# Altium PCB _tracker.PcbDoc (part 1 of 2) (continued)
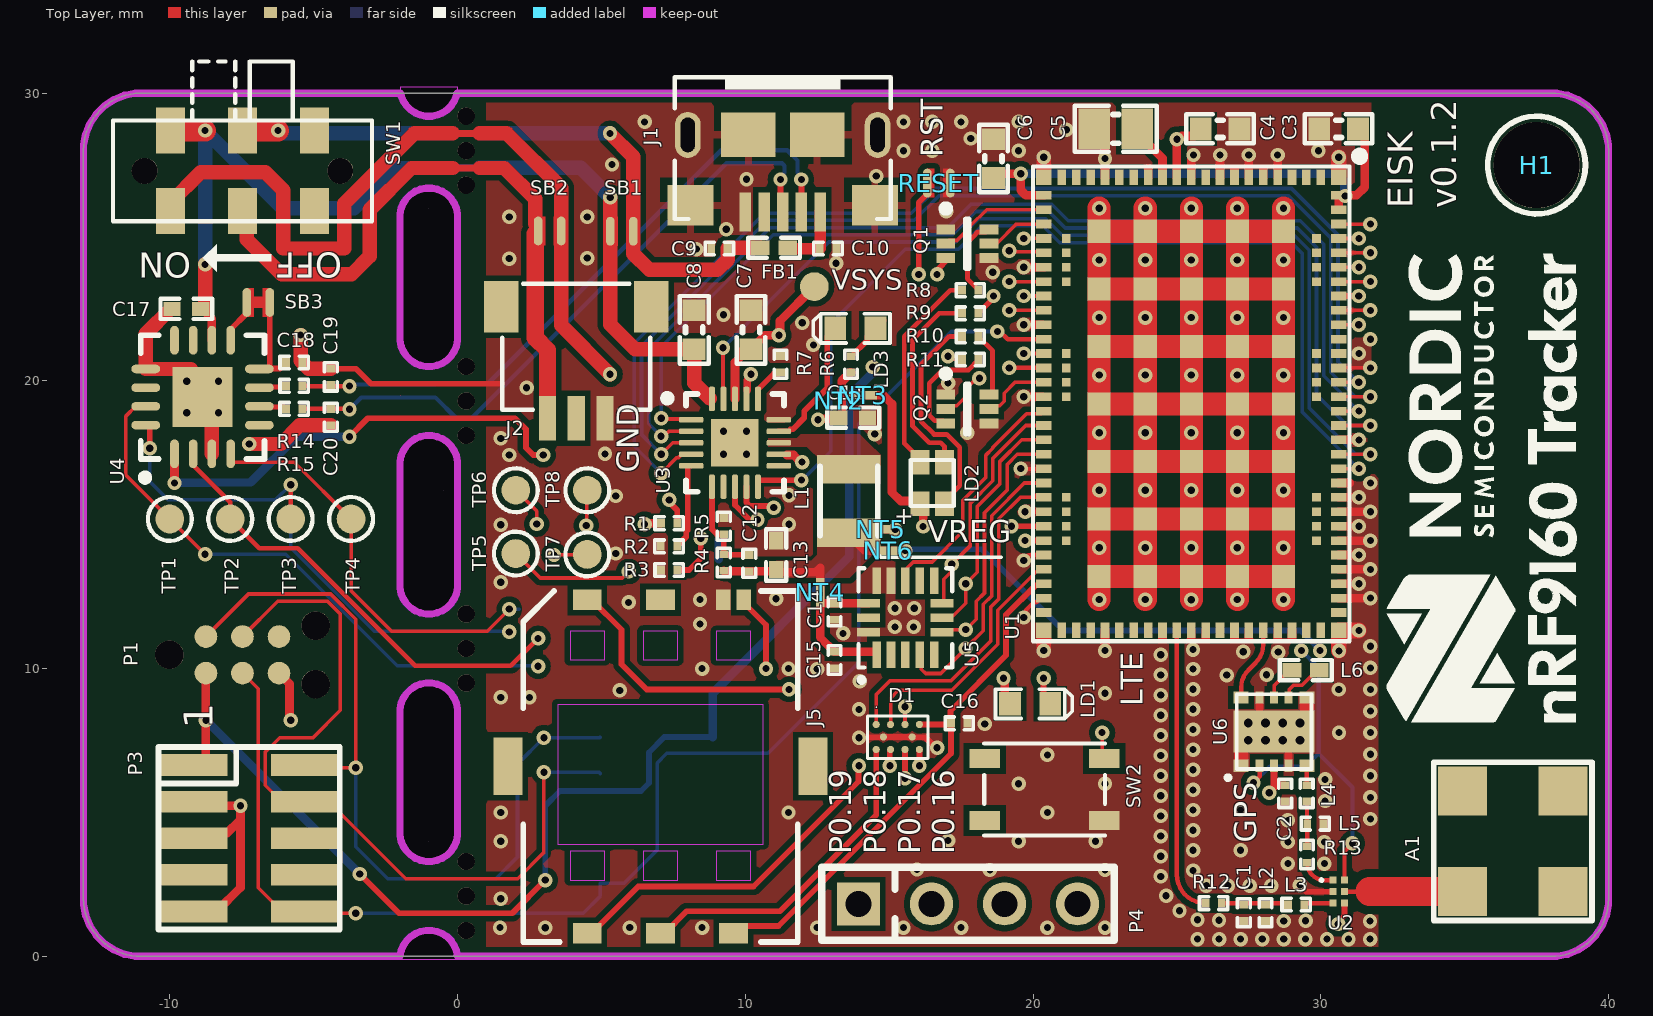
[diagram p0: Top Layer view]
## Footprints (in the part's own frame and the unit in brackets; to place one, negate y for a bottom-side part, rotate by r counter-clockwise, add the part's x,y. Pads: shape width x height; smd on the part's side, far side on the other; paste and mask are expansions set on the pad)
BTN_PTS810 [mm]
  rect 1.05x0.65 smd: 0(2.075,-1.075) 0(2.075,1.075) 1(-2.075,1.075) 2(-2.075,-1.075)
  silkscreen extent -2.1,-1.6 2.1,1.6, body extent -2.29,-1.6 2.29,1.6, height 2.5
CAPC0603X03L_C [mm]
  rect 0.27x0.3 smd: 1(-0.285,0) 2(0.285,0)
  silkscreen extent -0.49,-0.22 0.49,0.22, body extent -0.3,-0.15 0.31,0.15, height 0.3
CAPC1005X04L [mm]
  rect 0.6x0.5 smd: 1(-0.5,0) 2(0.5,0)
  silkscreen extent -0.9,-0.35 0.9,0.35, body extent -0.51,-0.25 0.51,0.25, height 0.5
CAPC1608X06L [mm]
  rect 0.75x0.8 smd: 1(-0.675,0) 2(0.675,0)
  silkscreen extent -1.17,-0.5 1.17,0.5, body extent -0.8,-0.43 0.8,0.43, height 0.8
CAPC2012X11L [mm] "Chip Capacitor, 2-Leads, Body 2.0x1.3mm, IPC High Density"
  rect 1.1x1.4 smd: 1(-0.75,0) 2(0.75,0)
  silkscreen extent -1.43,-0.8 1.42,0.8, body extent -1,-0.62 1,0.63, height 0.77
CM1402 [mm]
  round 0.25 smd mask+0.05: A1(-0.75,0.435) A2(-0.25,0.435) A3(0.25,0.435) A4(0.75,0.435) B1(-0.5,0) B2(0.5,0) C1(-0.75,-0.435) C2(-0.25,-0.435) C3(0.25,-0.435) C4(0.75,-0.435)
  silkscreen extent -1.05,-0.75 1.05,0.72, body extent -0.98,-0.66 0.98,0.66, height 0.72
FRACTUS_CUBE_MXTEND [mm]
  rect 1.7x1.7 smd: 1(1.75,-1.75) 2(-1.75,-1.75) 3(-1.75,1.75) 4(1.75,1.75)
  silkscreen extent -2.75,-2.75 2.75,2.75, body extent -2.5,-2.5 3.45,2.5, height 5.01
GCT_SIM8055-6-1-14-00-A_REVA1 [mm] "Nano SIM Card Connector, Push-Pull Type, 6 Pin, SMT, Profile 1.35mm"
  rect 1x0.7 smd: C1(2.54,-5.795) C2(0,-5.795) C3(-2.54,-5.795) C6(0,5.795) C7(-2.54,5.795)
  rect 1x2 smd: C4(5.3,0) C8(-5.3,0)
  rect 0.5x0.7 smd: C5(2.19,5.795) CD(2.89,5.795)
  Top Layer keep-out region: -3.575,-2.7 3.575,-2.7 3.575,2.15 -3.575,2.15
  Top Layer keep-out region: 1.94,3.7 3.14,3.7 3.14,4.7 1.94,4.7
  Top Layer keep-out region: -0.6,3.7 0.6,3.7 0.6,4.7 -0.6,4.7
  Top Layer keep-out region: -3.14,3.7 -1.94,3.7 -1.94,4.7 -3.14,4.7
  Top Layer keep-out region: -3.14,-3.95 -1.94,-3.95 -1.94,-2.95 -3.14,-2.95
  Top Layer keep-out region: -0.6,-3.95 0.6,-3.95 0.6,-2.95 -0.6,-2.95
  Top Layer keep-out region: 1.94,-3.95 3.14,-3.95 3.14,-2.95 1.94,-2.95
  silkscreen extent -4.77,-6.1 4.77,6.1, body extent -5.47,-6.1 5.33,6.1, height 1.35
HDR_2x5-SMD-1.27mm [mm]
  rect 0.76x2.4 smd: 1(-2.54,-1.95) 2(-2.54,1.95) 3(-1.27,-1.95) 4(-1.27,1.95) 5(0,-1.95) 6(0,1.95) 7(1.27,-1.95) 8(1.27,1.95) 9(2.54,-1.95) 10(2.54,1.95)
  silkscreen extent -3.18,-3.15 3.18,3.15
HDR_2x5-SMD-1.27mm-K [mm]
  rect 0.76x2.4 smd: 1(-2.54,-1.95) 2(-2.54,1.95) 3(-1.27,-1.95) 4(-1.27,1.95) 5(0,-1.95) 6(0,1.95) 7(1.27,-1.95) 8(1.27,1.95) 9(2.54,-1.95) 10(2.54,1.95)
  silkscreen extent -3.18,-3.15 3.18,3.15, body extent -3.14,-2.92 3.14,2.92, height 6.11
HOLE_NP_3MM [mm] "Regular 3mm non-plated hole"
  round 3 hole 3 unplated paste+0 mask+0: ""(0,0)
  silkscreen extent -1.7,-1.7 1.7,1.7
IND1008 [mm] "Chip Inductor, 2-Leads, Body 2.5x2.0x1.1 mm"
  rect 1x2.2 smd: 1(-1.1,0) 2(1.1,0)
  silkscreen extent -1.2,-1 1.2,1, body extent -1.25,-1 1.25,1, height 0.89
INDC0603X03L_C [mm]
  rect 0.27x0.3 smd: 1(-0.285,0) 2(0.285,0)
  silkscreen extent -0.49,-0.22 0.49,0.22, body extent -0.31,-0.16 0.31,0.16, height 0.26
INDC1005X04L [mm] "0402 (imperial)"
  rect 0.65x0.5 smd: 1(-0.475,0) 2(0.475,0)
  silkscreen extent -0.9,-0.35 0.9,0.35, body extent -0.5,-0.3 0.5,0.3, height 0.5
INDC1005X04L_WW [mm]
  rect 0.65x0.5 smd: 1(-0.475,0) 2(0.475,0)
  silkscreen extent -0.9,-0.35 0.9,0.35, body extent -0.5,-0.3 0.5,0.3, height 0.51
LED_0603_G [mil]
  rect 30x32 smd: 1(-27.5,0) 2(27.5,0)
  silkscreen extent -58,-20 48,20, body extent -32,-16 32,16, height 24
LED_RGB_0606 [mm]
  rect 0.65x0.85 smd paste+0: 1(-0.425,0.725) 2(0.425,0.725) 3(0.425,-0.725) 4(-0.425,-0.725)
  silkscreen extent -0.75,-0.8 0.75,0.8, body extent -0.75,-0.8 0.75,0.8, height 0.35
LGA50P322X300X114-16N [mm]
  rect 0.925x0.3 smd mask+0.06: 1(-1.288,1) 2(-1.288,0.5) 3(-1.288,0) 4(-1.288,-0.5) 5(-1.288,-1) 9(1.288,-1) 10(1.288,-0.5) 11(1.288,0) 12(1.288,0.5) 13(1.288,1)
  rect 0.3x0.8 smd mask+0.06: 6(-0.5,-1.275) 7(0,-1.275) 8(0.5,-1.275) 14(0.5,1.275) 15(0,1.275) 16(-0.5,1.275)
  silkscreen extent -2.21,-1.62 1.72,1.62, body extent -1.65,-1.55 1.65,1.55, height 1.14
LGA50P1600X1050X104-161N [mm]
  rect 0.54x0.54 smd mask+0.05: 1(-7.87,5.12) 21(-7.87,-5.12) 52(7.87,-5.12) 72(7.87,5.12)
  rect 0.54x0.3 smd mask+0.05: 2(-7.87,4.5) 3(-7.87,4) 4(-7.87,3.5) 5(-7.87,3) 6(-7.87,2.5) 7(-7.87,2) 8(-7.87,1.5) 9(-7.87,1) 10(-7.87,0.5) 11(-7.87,0) 12(-7.87,-0.5) 13(-7.87,-1) 14(-7.87,-1.5) 15(-7.87,-2) 16(-7.87,-2.5) 17(-7.87,-3) 18(-7.87,-3.5) 19(-7.87,-4) 20(-7.87,-4.5) 53(7.87,-4.5) 54(7.87,-4) 55(7.87,-3.5) 56(7.87,-3) 57(7.87,-2.5) 58(7.87,-2) 59(7.87,-1.5) 60(7.87,-1) 61(7.87,-0.5) 62(7.87,0) 63(7.87,0.5) 64(7.87,1) 65(7.87,1.5) 66(7.87,2) 67(7.87,2.5) 68(7.87,3) 69(7.87,3.5) 70(7.87,4) 71(7.87,4.5)
  rect 0.3x0.54 smd mask+0.05: 22(-7.25,-5.12) 23(-6.75,-5.12) 24(-6.25,-5.12) 25(-5.75,-5.12) 26(-5.25,-5.12) 27(-4.75,-5.12) 28(-4.25,-5.12) 29(-3.75,-5.12) 30(-3.25,-5.12) 31(-2.75,-5.12) 32(-2.25,-5.12) 33(-1.75,-5.12) 34(-1.25,-5.12) 35(-0.75,-5.12) 36(-0.25,-5.12) 37(0.25,-5.12) 38(0.75,-5.12) 39(1.25,-5.12) 40(1.75,-5.12) 41(2.25,-5.12) 42(2.75,-5.12) 43(3.25,-5.12) 44(3.75,-5.12) 45(4.25,-5.12) 46(4.75,-5.12) 47(5.25,-5.12) 48(5.75,-5.12) 49(6.25,-5.12) 50(6.75,-5.12) 51(7.25,-5.12) 73(7.25,5.12) 74(6.75,5.12) 75(6.25,5.12) 76(5.75,5.12) 77(5.25,5.12) 78(4.75,5.12) 79(4.25,5.12) 80(3.75,5.12) 81(3.25,5.12) 82(2.75,5.12) 83(2.25,5.12) 84(1.75,5.12) 85(1.25,5.12) 86(0.75,5.12) 87(0.25,5.12) 88(-0.25,5.12) 89(-0.75,5.12) 90(-1.25,5.12) 91(-1.75,5.12) 92(-2.25,5.12) 93(-2.75,5.12) 94(-3.25,5.12) 95(-3.75,5.12) 96(-4.25,5.12) 97(-4.75,5.12) 98(-5.25,5.12) 99(-5.75,5.12) 100(-6.25,5.12) 101(-6.75,5.12) 102(-7.25,5.12)
  rect 0.8x0.8 smd mask+0.05: 103(-6,3.2) 103(-6,-1.6) 103(-6,0) 103(-6,1.6) 103(-6,-3.2) 103(-4,3.2) 103(-4,-1.6) 103(-4,0) 103(-4,1.6) 103(-4,-3.2) 103(-2,3.2) 103(-2,1.6) 103(-2,0) 103(-2,-1.6) 103(-2,-3.2) 103(0,3.2) 103(0,1.6) 103(0,0) 103(0,-1.6) 103(0,-3.2) 103(2,3.2) 103(2,1.6) 103(2,0) 103(2,-1.6) 103(2,-3.2) 103(4,3.2) 103(4,-1.6) 103(4,0) 103(4,1.6) 103(4,-3.2) 103(6,3.2) 103(6,-1.6) 103(6,0) 103(6,1.6) 103(6,-3.2)
  rect 0.3x0.3 smd mask+0.05: 104(-5.75,-4.35) 105(-5.25,-4.35) 106(-4.75,-4.35) 107(-4.25,-4.35) 108(-1.75,-4.35) 109(-1.25,-4.35) 110(-0.75,-4.35) 111(-0.25,-4.35) 112(3.25,-4.35) 113(3.75,-4.35) 114(4.25,-4.35) 115(4.75,-4.35) 116(4.75,4.35) 117(4.25,4.35) 118(3.75,4.35) 119(3.25,4.35) 120(-0.25,4.35) 121(-0.75,4.35) 122(-1.25,4.35) 123(-1.75,4.35) 124(-4.25,4.35) 125(-4.75,4.35) 126(-5.25,4.35) 127(-5.75,4.35)
  Top Layer pour cut-out: -8.15,5.4 8.15,5.4 8.15,-5.4 -8.15,-5.4
  silkscreen extent -8.75,-5.5 8.25,6, body extent -8.05,-5.3 8.05,5.3, height 1.2
LIST_1x4-NC [mm]
  rect 1.5x1.5 hole 0.9: 1(-1.27,0)
  round 1.5 hole 0.9: 2(1.27,0) 3(3.81,0) 4(6.35,0)
  silkscreen extent -2.54,-1.27 7.62,1.27
NET_TIE_GND [mm]
  rect 0.5x0.3 smd paste+0 mask+0: 1(-0.25,0) 2(0.75,0)
  Top Layer lines w0.3: -0.1,0 0.6,0
Net_tie_trace#1 [mm]
  rect 0.5x0.3 on Mid2 paste+0 mask+0: 1(0,0) 2(0.5,0)
  Mid-Layer 2 lines w0.3: 0,0 0.5,0
Net_tie_trace#2 [mm]
  rect 0.5x0.3 smd paste+0 mask+0: 1(0,0) 2(0.5,0)
  Top Layer lines w0.3: 0,0 0.5,0
NX3020NAKV [mm]
  rect 0.65x0.35 smd: 1(-0.75,0.5) 2(-0.75,0) 3(-0.75,-0.5) 4(0.75,-0.5) 5(0.75,0) 6(0.75,0.5)
  silkscreen extent -0.87,-0.85 0.05,1.35, body extent -0.8,-0.85 0.8,0.85, height 0.6
PG-TSNP-6-2 [mm] "TSNP-6-2 ,0.40mm Pitch, 6 Pin, 0.7mm W X 1.1mm L X 0.4mm H body"
  rect 0.25x0.25 smd: 1(-0.2,0.4) 2(-0.2,0) 3(-0.2,-0.4) 4(0.2,-0.4) 5(0.2,0) 6(0.2,0.4)
  silkscreen extent -0.65,0.35 -0.55,0.45, body extent -0.35,-0.55 0.35,0.55, height 0.4
QFN40P300X300X80_HS-21N [mm] "QFN, 20-Leads, Body 3,00x3,00mm, Pitch 0,40mm, Thermal Pad 1,65x1,65mm, IPC Medium Density"
  rrect50% 0.85x0.2 smd: 1(-1.525,0.8) 2(-1.525,0.4) 3(-1.525,0) 4(-1.525,-0.4) 5(-1.525,-0.8) 11(1.525,-0.8) 12(1.525,-0.4) 13(1.525,0) 14(1.525,0.4) 15(1.525,0.8)
  rrect50% 0.2x0.85 smd: 6(-0.8,-1.525) 7(-0.4,-1.525) 8(0,-1.525) 9(0.4,-1.525) 10(0.8,-1.525) 16(0.8,1.525) 17(0.4,1.525) 18(0,1.525) 19(-0.4,1.525) 20(-0.8,1.525)
  rect 1.65x1.65 smd: 21(0,0)
  silkscreen extent -2.47,-1.7 1.7,1.7, body extent -1.55,-1.55 1.55,1.55, height 0.8
QFN65P400X400X80_HS-17N [mm] "QFN, 16-Leads, Body 4,00x4,00mm, Pitch 0,65mm, Thermal Pad 2,08x2,08mm, IPC Medium Density"
  oval 1x0.3 smd: 1(-1.975,0.975) 2(-1.975,0.325) 3(-1.975,-0.325) 4(-1.975,-0.975) 9(1.975,-0.975) 10(1.975,-0.325) 11(1.975,0.325) 12(1.975,0.975)
  oval 0.3x1 smd: 5(-0.975,-1.975) 6(-0.325,-1.975) 7(0.325,-1.975) 8(0.975,-1.975) 13(0.975,1.975) 14(0.325,1.975) 15(-0.325,1.975) 16(-0.975,1.975)
  rect 2.08x2.08 smd: 17(0,0)
  silkscreen extent -2.92,-2.15 2.15,2.15, body extent -2,-2 2,2, height 0.8
RESC0603X03L_C [mm]
  rect 0.27x0.3 smd: 1(-0.285,0) 2(0.285,0)
  silkscreen extent -0.49,-0.22 0.49,0.22, body extent -0.3,-0.15 0.3,0.15, height 0.23
SKY6594311 [mm]
  rect 0.425x0.515 smd mask+0.05: 1(-1.188,1.144) 5(-1.188,-1.144) 6(1.188,-1.144) 10(1.187,1.144)
  rect 0.425x0.275 smd mask+0.05: 2(-1.188,0.5) 3(-1.188,0) 4(-1.188,-0.5) 7(1.187,-0.5) 8(1.187,0) 9(1.187,0.5)
  rect 1.45x2.802 smd paste-2 mask-5: 11(0,0)
  rect 1.55x2.487 on Top Solder: ""(0,0)
  Top Layer region: -0.713,-0.363 -0.988,-0.363 -0.988,-0.638 -0.713,-0.638
  Top Layer region: 0.713,0.363 0.988,0.363 0.988,0.638 0.713,0.638
  Top Layer region: 0.711,-1.4 0.986,-1.4 0.986,-0.888 0.711,-0.888
  Top Layer region: -0.989,0.888 -0.714,0.888 -0.714,1.4 -0.989,1.4
  silkscreen extent -1.65,-1.3 1.3,1.65, body extent -1.25,-1.25 1.25,1.25, height 0.71
SM03B-SRSS-TB [mm]
  rect 1.2x1.8 smd: 0(-2.6,-3.875) 0(2.6,-3.875)
  rect 0.6x1.55 smd: 1(-1,0) 2(0,0) 3(1,0)
  silkscreen extent -2.57,-4.68 2.58,-0.3, body extent -2.5,-4.61 2.5,0.34, height 2.95
Solderbridge [mm]
  oval 0.3x1 smd mask+0.075: 1(0,0) 2(0.8,0)
  Top Layer region: 0.8,-0.5 0.55,-0.5 0.55,0.5 0.8,0.5
  Top Layer region: 0,0.5 0.25,0.5 0.25,-0.5 0,-0.5
Solderbridge_Shorted [mm]
  oval 0.3x1 smd mask+0.075: 1(0,0) 2(0.8,0)
  Top Layer region: 0.2,-0.2 0.6,-0.2 0.6,0.2 0.2,0.2
  Top Layer region: 0.8,-0.5 0.55,-0.5 0.55,0.5 0.8,0.5
  Top Layer region: 0,0.5 0.25,0.5 0.25,-0.5 0,-0.5
Switch-Slide-RA-J-Lead-DPDT-8.5x3.5mm [mm]
  round 0.9 hole 0.9 unplated mask+0: 0(-3.4,0) 0(3.4,0)
  rect 1x1.6 smd: 1(-2.5,-1.4) 2(0,-1.4) 3(2.5,-1.4) 4(-2.5,1.4) 5(0,1.4) 6(2.5,1.4)
  silkscreen extent -4.5,-3.8 4.5,1.75, body extent -4.25,-3.75 4.25,1.75, height 3.5
TC2030-IDC-NLFP [mil]
  round 39 hole 39 unplated: 0(-100,0) 0(100,-40) 0(100,40)
  round 31 smd paste-196.85: 1(-50,-25) 2(-50,25) 3(0,-25) 4(0,25) 5(50,-25) 6(50,25)
  Top Layer pour cut-out: -50,25 -50,-25 50,-25 50,25
TP_SMD_Ø1.0mm [mm]
  round 1 smd paste-5: 1(0,0)
  silkscreen extent -0.76,-0.76 0.76,0.76
USB-MICRO-B-RA-SMD-PIP [mm]
  rect 1.35x0.4 smd: 1(0,1.3) 2(0,0.65) 3(0,0) 4(0,-0.65) 5(0,-1.3)
  oval 1.6x0.9 hole 0.5 slot 1.2 at 0 deg: 6(-2.675,3.3) 6(-2.675,-3.3)
  oval 2x1.5 on Top Paste: 6(-2.675,3.3) 6(-2.675,-3.3)
  rect 1.55x1.9 smd: 6(-2.675,1.2) 6(-2.675,-1.2)
  rect 1.4x1.6 smd: 6(-0.225,3.2) 6(-0.225,-3.2)
  silkscreen extent -4.75,-3.75 0.25,3.75, body extent -5.43,-3.93 0.28,3.93, height 2.84

## Part data
A1: library part ANT:CUBE_mXTEND, "CUBE mXTEND Antenna Booster (GSM, UMTS, LTE)", Manufacturer="Fractus Antennas S.L.", Supplier Part Number 1=2115-FR01-S4-250CT-ND, ComponentLink1Description=Datasheet, ComponentLink1URL=https://www.fractusantennas.com/wp-content/uploads/2018/01/UM_FR01-S4-250.pdf, ComponentLink2Description=Digi-Key, ComponentLink2URL=https://www.digikey.no/product-detail/en/fractus-antennas-s-l/FR01-S4-250/2115-FR01-S4-250CT-ND/10108319, Manufacturer Part Number=FR01-S4-250, Supplier 1=Digi-Key
C1: "Capacitor, NP0, ±10%, 10V", TempCoeff=NP0, Artikkelnr Noca=N.A., Footprint Doc=0201, LatestRevisionDate=2014-11-13, Note=10V, Pin Count=2, Published=2014-11-13, Publisher="Nordic Semiconductor"
C2 C9 C10 C14 C15 C16 C18: "Capacitor, X5R, ±10%, 10V", TempCoeff=X5R, Artikkelnr Noca=N.A., Footprint Doc=0201, LatestRevisionDate=2014-11-13, Pin Count=2, Published=2014-11-13, Publisher="Nordic Semiconductor"
  C9 C10 C14 C15 C16: Note=10V
C3 C4 C6: "Capacitor, X5R, ±10%, 6.3V", TempCoeff=X5R, Artikkelnr Noca=N.A., Footprint Doc=0603, LatestRevisionDate=2014-11-13, Note=6.3V, Pin Count=2, Published=2014-11-13, Publisher="Nordic Semiconductor"
C5: "Capacitor, X5R, ±20%, 6.3V", TempCoeff=X5R, Artikkelnr Noca=N.A., Footprint Doc=0805, LatestRevisionDate=2014-11-13, Note=s, Pin Count=2, Published=2014-11-13, Publisher="Nordic Semiconductor"
C7 C8: "Capacitor, X7R, ±10%", TempCoeff=X7R, Artikkelnr Noca=N.A., Footprint Doc=0603, LatestRevisionDate=2014-11-13, Note=s, Pin Count=2, Published=2014-11-13, Publisher="Nordic Semiconductor"
C11 C17: "Capacitor, X5R, ±10%, 16V", TempCoeff=X5R, Artikkelnr Noca=N.A., Footprint Doc=0402, LatestRevisionDate=2014-11-13, Note=16V, Pin Count=2, Published=2014-11-13, Publisher="Nordic Semiconductor"
C12 C19 C20: "Capacitor, NP0", TempCoeff=NP0, Artikkelnr Noca=N.A., Footprint Doc=0201, LatestRevisionDate=2014-11-13, Pin Count=2, Published=2014-11-13, Publisher="Nordic Semiconductor"
  C19 C20: Note=10V
C13: "Capacitor, X5R, ±20%", TempCoeff=X5R, Artikkelnr Noca=N.A., Footprint Doc=0402, LatestRevisionDate=2014-11-13, Note=16V, Pin Count=2, Published=2014-11-13, Publisher="Nordic Semiconductor"
D1: "EMI Network Filter Arrays SIM CARD EMI FILTER WITH ESD PROTECTION", Manufacturer="ON Semiconductor", Manufacturer Part Number=CM1402-03CP, Part number IPS=N.A., Supplier Part Number 1=748-CM1402-03CP, Artikkelnr Noca=N.A., ComponentLink1Description=Datasheet, ComponentLink2Description="Supplier link", Datasheet=http://www.onsemi.com/pub_link/Collateral/CM1402-D.PDF, Footprint Doc=CM1402, LatestRevisionDate=2017-02-06, Part Number=CM1402, Pin Count=10, Published=2017-02-06, Publisher="Nordic Semiconductor", Supplier 1=Mouser, Supplier 2=Digi-Key, Supplier Part Number 2=CM1402-03CPOSCT-ND
FB1: "Ferrite Bead, 120 Ohm @ 100MHz, 500mA, 250 mOhm Max", Manufacturer=Murata, Manufacturer Part Number=BLM15AG121SN1D, Part Number=FB0805-120R@100M-550mA, Part number IPS=N.A., Supplier Part Number 1=490-1005-1-ND, Artikkelnr Noca=33029317, Artikkelnr Simpro=N.A., ComponentLink1Description=Datasheet, ComponentLink2Description=Datasheet, ComponentLink2URL=https://www.murata.com/en-global/products/productdata/8796733767710/S0580E.pdf, Datasheet=http://search.murata.co.jp/Ceramy/image/img/PDF/ENG/L0110S0100BLM15A_SN.pdf, Footprint Doc=0402, LatestRevisionDate=2019-06-06, Note="Chip EMIFIL Inductor Type Chip Ferrite Bead", Pin Count=2, Published=2011-11-14, Publisher="Nordic Semiconductor", Supplier 1=Digi-Key
H1: library part HOLE:M3
J1: "MicroUSB-B-SMT", Manufacturer="Amphenol ICC (FCI)", Manufacturer Part Number=10118194-0001LF, Part Number=USB-Micro-B-RA-SMD-PiP, Part number IPS=00000007790, Supplier Part Number 1=649-10118193-0001LF, Artikkelnr Noca=55029020, Artikkelnr Simpro=N.A., Footprint Doc=USB-Micro-B-RA-SMD-PiP, LatestRevisionDate=2016-04-21, Pin Count=5, Published=2014-10-07, Publisher="Nordic Semiconductor", Supplier 1=Mouser, Supplier 2=Digi-Key, Supplier Part Number 2=609-4616-1-ND
J2: "1.0mm pitch connector side entry SMD", Manufacturer=JST, Manufacturer Part Number=SM03B-SRSS-TB(LF)(SN), Part Number=SM03B-SRSS-TB, Part number IPS=00000001785, Supplier Part Number 1=455-1803-1-ND, Artikkelnr Noca=N.A., Footprint Doc=SM03B-SRSS-TB, HelpURL=http://www.jst-mfg.com/product/pdf/eng/eSH.pdf, LatestRevisionDate=2017-10-09, Note="JST, Header", Pin Count=3, Published=2017-10-09, Publisher="Nordic Semiconductor", Supplier 1=Digi-Key
J5: "Nano SIM Card Connector, Push-Pull Type, 6 Pin, SMT, Profile 1.35mm", Manufacturer=GCT, Manufacturer Part Number=SIM8055-6-1-14-00-A, Supplier part number=2073-SIM8055-6-1-14-00-ADKR-ND, ComponentLink1Description="Information Page", ComponentLink1URL=https://gct.co/connector/digi-key/sim8055, ComponentLink2Description=Digi-Key, ComponentLink2URL=https://www.digikey.com/product-detail/en/gct/SIM8055-6-1-14-00-A/2073-SIM8055-6-1-14-00-ADKR-ND/9859771, Supplier=Digi-Key
L1: "Switching regulator chip inductor, 2-Leads, Body 2.5x2.0x1.1 mm", Manufacturer="Wurth Electronics Inc.", Manufacturer Part Number=74479787247, Supplier Part Number 1=732-14079-1-ND, ComponentLink1Description=Digi-Key, ComponentLink2Description="Supplier link", Datasheet="Not available", Footprint Doc=1008, LatestRevisionDate=2019-06-13, Pin Count=2, Published=2019-07-02, Publisher="Nordic Semiconductor", Supplier 1=Digi-Key, Supplier 2=Mouser, Supplier Part Number 2=710-74479787247
L2 L3 L4 L5: "Inductor, 350mA, ±3%", Manufacturer=Murata, Footprint Doc=0201, LatestRevisionDate=2017-07-19, Pin Count=2, Published=2013-04-10, Publisher="Nordic Semiconductor"
L6: "Inductor, 600mA, ±0.1nH, 120mΩ, Q=25", Manufacturer=Murata, Manufacturer Part Number=LQW15AN5N1B00, Part Number=L0402-5n1-Wirewound-Murata, Part number IPS=N.A., Supplier Part Number 1=490-6831-1-ND, Artikkelnr Noca=N.A., ComponentLink1Description=Datasheet, ComponentLink1URL=https://search.murata.co.jp/Ceramy/image/img/P02/JELF243A-0050.pdf, ComponentLink2Description="Supplier link", Footprint Doc=0402, HelpURL=https://psearch.en.murata.com/inductor/product/LQW15AN5N1B00%23.html, LatestRevisionDate=2019-04-16, Note="-55°C ~ 125°C", Pin Count=2, Published=2019-04-16, Publisher="Nordic Semiconductor", Supplier 1=Digi-Key
LD1 LD3: library part D:LED, "LED, Green, 0603, 570nm, Vf=1.7V, 2.24..5.6mcd, - 40 to +100°C", Manufacturer=Osram, Manufacturer Part Number="LG L29K-G2J1-24-Z", Part Number="LG L29K Smartled Green", Part number IPS=N.A., Supplier Part Number 1=475-2709-1-ND, Artikkelnr Noca=13019147, ComponentLink1Description=Datasheet, ComponentLink2Description="Supplier link", Footprint Doc=0603, HelpURL=http://www.osram-os.com/Graphics/XPic2/00077107_0.pdf, LatestRevisionDate=2017-08-21, Note="2.24..5.6 mcd, Vfmin=1.7V", Pin Count=2, Published=2014-10-28, Publisher="Nordic Semiconductor", Supplier 1=Digi-Key, Supplier 2=Mouser, Supplier Part Number 2=720-LGL29KG2J124Z
LD2: "RGB LED 1.60 mm x 1.60 mm SMD", 2nd source part number=859-LTST-C19HE1WT, Manufacturer="Lite-On Inc", Manufacturer Part Number=LTST-C19HE1WT, Part number IPS=00000007798, Supplier part number=160-2162-1-ND, 2nd source Supplier=Mouser, Artikkelnr Noca=N.A., Artikkelnr Simpro=N.A., Datasheet=http://optoelectronics.liteon.com/upload/download/DS22-2008-0044/S_110_LTST-C19HE1WT.pdf, Footprint Doc=LED_RGB_0606, LatestRevisionDate=2016-09-23, Part Number=LTST-C19HE1WT, Pin Count=4, Published=2016-09-23, Publisher="Nordic Semiconductor", Supplier=Digi-Key
NT1 NT2 NT3 NT4 NT5 NT6: library part NT:Trace
P1: "CBL PLUG-OF-NAILS 6-PIN", Manufacturer="Tag-Connect LLC", Artikkelnr Noca=N.A., Datasheet=http://www.tag-connect.com/Materials/TC2030-IDC-NL.pdf, LatestRevisionDate=2013-08-08, Manufacturer Part Number=TC2030-CTX-NL, Part Number=TC2030-CTX-NL, Pin Count=6, Published=2013-08-08, Publisher="Nordic Semiconductor", Supplier=Tag-Connect, Supplier part number=TC2030-CTX-NL
P2: library part "Header 2x5 No-BOM", "Connector Header Surface Mount 10 position 0.050\" (1.27mm)", Manufacturer="Samtec Inc.", Supplier Part Number 1=SAM8796-ND, LatestRevisionDate=2018-10-15, Manufacturer Part Number=FTSH-105-01-F-DV-K, Publisher="Nordic Semiconductor", Supplier 1=Digi-Key, Supplier 2=Newark, Supplier 3=Farnell, Supplier 4=Mouser, Supplier Part Number 2=45P5160, Supplier Part Number 3=2856430, Supplier Part Number 4=200-FTSH10501FDVK
P3: library part "Header 2x5 Shielded SMD", "Connector Header Surface Mount 10 position 0.050\" (1.27mm)", Manufacturer="Samtec Inc.", Supplier Part Number 1=SAM8796-ND, LatestRevisionDate=2018-10-15, Manufacturer Part Number=FTSH-105-01-F-DV-K, Publisher="Nordic Semiconductor", Supplier 1=Digi-Key, Supplier 2=Newark, Supplier 3=Farnell, Supplier 4=Mouser, Supplier Part Number 2=45P5160, Supplier Part Number 3=2856430, Supplier Part Number 4=200-FTSH10501FDVK
P4: "Pin List 1x4, 2.54mm (100mil)", Assembly="Not mounted", Footprint Doc=LIST_1x4, Note="Pin List 1x4, N.C.", Pin Count=4, Published=2019-07-17, Publisher="Nordic Semiconductor"
Q1 Q2: "MOSFET 2N-CH 30V 0.2A SOT666", Manufacturer=Nexperia, Manufacturer Part Number=NX3020NAKV,115, Part number IPS=N.A., Supplier Part Number 1=771-NX3020NAKV115, Artikkelnr Noca=N.A., ComponentLink1Description=Datasheet, ComponentLink1URL=https://assets.nexperia.com/documents/data-sheet/NX3020NAKV.pdf, ComponentLink2Description="Supplier link", Footprint Doc=SOT666, LatestRevisionDate=2018-12-13, Part Number=NX3020NAKV, Pin Count=6, Published=2018-12-13, Publisher="Nordic Semiconductor", Supplier 1=Mouser, Supplier 2=Digi-Key, Supplier Part Number 2=1727-1287-1-ND
R1 R2 R3 R4 R5 R6 R7 R8 R9 R10 R11 R12 R13 R14 R15: library part RES:0201, Package=0201, Footprint Doc=0201, LatestRevisionDate=2019-06-11, Publisher="Nordic Semiconductor"
SB3: "Shorted Solderbridge", Footprint Doc="Solderbridge Shorted", Note="Not in BOM", Pin Count=2, Published=2012-08-07, Publisher="Nordic Semiconductor"
SW1: "SMD slide Switch (ON-ON)", Manufacturer="Copal Electronics Inc", Manufacturer Part Number=CL-SB-22A-11T, Part Number=Switch-Slide-RA-J-Lead-DPDT-8.5x3.5mm_Copal, Part number IPS=00000007811, Supplier Part Number 1=563-1340-1-ND, Artikkelnr Noca=N.A., Footprint Doc=Switch-Slide-RA-J-Lead-DPDT-8.5x3.5mm, HelpURL=http://www.nidec-copal-electronics.com/e/catalog/switch/cl-sb.pdf, LatestRevisionDate=2017-02-01, Pin Count=6, Published=2017-02-01, Publisher="Nordic Semiconductor", Supplier 1=Digi-Key, Supplier 2=Avnet, Supplier Part Number 2=CL-SB-22A-11T
SW2: library part BUTTON, "SWITCH TACTILE SPST-NO 0.05A 16V", Manufacturer=C&K, Manufacturer Part Number="PTS810 SJM 250 SMTR LFS", Supplier Part Number 1=CKN10502CT-ND, ComponentLink1Description=Datasheet, ComponentLink1URL=https://www.ckswitches.com/media/1476/pts810.pdf, ComponentLink2Description=Digi-Key, ComponentLink2URL=https://www.digikey.no/product-detail/en/c-k/PTS810-SJM-250-SMTR-LFS/CKN10502DKR-ND/4176674, HelpDoc=https://www.ckswitches.com/media/1476/pts810.pdf, Note=NO, Supplier 1=Digi-Key
TP1 TP2 TP3 TP4 TP5 TP6 TP7 TP8: "1.0mm circular SMD testpad", Manufacturer="Nordic Semiconductor", ComponentLink1Description=Datasheet, ComponentLink2Description="Supplier link", Footprint Doc=TP_SMD_Ø1.0mm, LatestRevisionDate=2013-06-11, Pin Count=1, Published=2013-06-11, Publisher="Nordic Semiconductor"
U1: "Low power System-in-Package with integrated LTE-M/NB-IoT modem and GPS", Manufacturer="Nordic Semiconductor", Part number IPS=N.A., Supplier Part Number 1=949-NRF9160-SICA-R, Artikkelnr Noca=N.A., Footprint Doc=LGA-161, LatestRevisionDate=2019-02-14, Manufacturer Part Number=nRF9160-SICA, Part Number=nRF9160-SICA, Pin Count=161, Published=2019-02-14, Publisher="Nordic Semiconductor", Supplier 1=Mouser, Supplier 2=Digi-Key, Supplier Part Number 2=1490-1076-1-ND
U2: "Wideband RF SPDT Switch", Manufacturer="Infineon Technologies", Supplier Part Number 1=BGS12SN6E6327XTSA1CT-ND, ComponentLink1Description=Datasheet, ComponentLink1URL=https://www.infineon.comhttps://www.infineon.com/dgdl/Infineon-BGS12SN6-DS-v01_02-en.pdf?fileId=db3a30433f1b26e8013f2db58bc03856, ComponentLink3Description="Digi-Key BGS12SN6", ComponentLink3URL=https://www.digikey.com/product-detail/en/infineon-technologies/BGS12SN6E6327XTSA1/BGS12SN6E6327XTSA1CT-ND/5764851, Footprint Doc=TSNP-6-2, Manufacturer Part Number=BGS12SN6, Supplier 1=Digi-Key
U3: library part LTC3554EUD-3#PBF, "IC USB POWER MANAGER 20UTQFN", Built_By="Eirik Hovde Skanke", ComponentLink1Description=Datasheet, ComponentLink1URL=https://www.analog.com/media/en/technical-documentation/data-sheets/355412ff.pdf, ComponentLink2Description=Digi-Key, ComponentLink2URL=https://www.digikey.com/product-detail/en/linear-technology-analog-devices/LTC3554EUD-PBF/LTC3554EUD-PBF-ND/2355199, Copyright="Nordic Semiconductor", Manufacturer_Part_Number=LTC3554EUD-3#PBF, Vendor="Linear Technology"
U4: "USB Bridge, USB to UART USB 2.0 UART Interface 16-QFN (4x4)", Manufacturer=FTDI, Supplier Part Number 1=768-1130-1-ND, Artikkelnr Noca=N.A., ComponentLink1Description=Datasheet, ComponentLink1URL=https://www.ftdichip.com/Support/Documents/DataSheets/ICs/DS_FT230X.pdf, Footprint Doc=QFN-16, LatestRevisionDate=2019-07-04, Manufacturer Part Number=FT230XQ, Part Number=FT230XQ, Pin Count=16, Published=2019-07-04, Publisher="Nordic Semiconductor", Supplier 1=Digi-Key
U5: "Micropower, 3-Axis, ±2 g/±4 g/±8 g Digital Output MEMS Accelerometer", Manufacturer="Analog Devices", Part number IPS=00000001799, Supplier Part Number 1=ADXL362BCCZ-RL7CT-ND, Artikkelnr Noca=N.A., ComponentLink1Description=Datasheet, ComponentLink1URL=http://www.analog.com/media/en/technical-documentation/data-sheets/ADXL362.pdf, Footprint Doc=LGA-16, HelpURL=https://www.analog.com/media/en/technical-documentation/data-sheets/ADXL362.pdf, LatestRevisionDate=2019-01-11, Manufacturer Part Number=ADXL362, Part Number=ADXL362, Pin Count=16, Published=2019-01-11, Publisher="Nordic Semiconductor", Supplier 1=Digi-Key, Supplier 2=Mouser, Supplier Part Number 2=584-ADXL362BCCZ-R7
U6: "GNSS Low-Noise Amplifier Front-End Module with Integrated Pre-Filter and Post-Filter", Manufacturer=Skyworks, Part number IPS=N.A., Supplier Part Number 1=863-2032-1-ND, Artikkelnr Noca=N.A., ComponentLink1Description=Datasheet, ComponentLink1URL=http://www.skyworksinc.com/uploads/documents/SKY65943_11_204404F.pdf, ComponentLink2Description="Supplier link", ComponentLink2URL=https://www.digikey.com/product-detail/en/skyworks-solutions-inc/SKY65943-11/863-2032-1-ND, Footprint Doc=MCM-10, HelpURL=http://www.skyworksinc.com/Product/3579/SKY65943-11, LatestRevisionDate=2019-04-16, Manufacturer Part Number=SKY65943-11, Part Number=SKY65943-11, Pin Count=10, Published=2019-04-16, Publisher="Nordic Semiconductor", Supplier 1=Digi-Key, Supplier 2=Mouser, Supplier Part Number 2=873-SKY65943-11
RESET SB1 SB2: ComponentLink1Description=Datasheet, ComponentLink2Description="Supplier link", Footprint Doc=Solderbridge, Note="Not in BOM", Pin Count=2, Published=2019-07-17, Publisher="Nordic Semiconductor"

## Free pads (board coordinates)
  round 0.6 hole 0.6 unplated mask+0: 0(0.3,9.5) 0(0.3,10.7) 0(0.3,11.9) 0(0.3,18.1) 0(0.3,19.3) 0(0.3,20.5) 0(0.3,26.8) 0(0.3,28) 0(0.3,29.2) 0(0.3,0.9) 0(0.3,3.3) 0(0.3,2.1)
  round 1 smd: 1(12.4,23.275)

## Via types
v1: diameter 0.5, hole 0.25, Top Layer to Bottom Layer, tented both sides, 336 vias
v2: diameter 0.61, hole 0.305, Top Layer to Bottom Layer, tented both sides, 8 vias
v3: diameter 0.5, hole 0.25, Top Layer to Bottom Layer, tented top, 1 vias

## Nets (pads, with @x,y where several pads share a name; then routed paths per layer and width w, separated by ;. In a path a pad name is that pad's centre, name@x,y a point inside that pad or via, vN(x,y) a via of type N, cw(c..) or ccw(c..) an arc to the next point about the centre after c; other vN are vias at no path point)
3V3OUT: C18.1 SB3.2 U4.8 | length 3.3
  Top Layer w0.2: U4.8@-6.887,20.414 -6.571,20.414 U4.8@-6.552,20.433 ; SB3.2@-6.525,22.725 -6.525,20.46 U4.8@-6.552,20.433 ; C18.1@-5.965,20.639 -5.965,20.624 -6,20.589 -6.015,20.589 -6.171,20.433 U4.8@-6.552,20.433
ANT_GPS: U1.67 U6.10 | length 2.6
  Top Layer w0.15: U6.10@27.233,9 27.233,9.355 cw(c28.064,9.355) 27.476,9.943 27.739,10.205 ; 27.74,10.206 ccw(c27.108,10.836) 28,10.836 U1.67@28,11.33
ANT_LTE: R12.1 U1.61 | length 10
  Top Layer w0.15: U1.61@25,11.33 25,2.84 ccw(c25.99,2.84) R12.1@25.99,1.85
COEX0: U1.93 U2.6 U6.2 | length 25
  Top Layer w0.125: U1.93@30.62,21.95 v1(31.318,21.95)
  Top Layer w0.15: v1(27.663,6.038) 27.876,6.252 U6.2@27.876,6.625 ; U2.6@30.825,2.65 30.825,3.65 v1(31.1,3.925)
  Mid-Layer 2 w0.15: v1(29.326,10.626) 29.326,19.958 v1(31.318,21.95)
  Bottom Layer w0.15: v1(27.663,6.038) 28.225,6.6 29.473,6.6 29.925,7.052 ; v1(29.326,10.626) 29.925,10.027 29.925,7.052 ; v1(31.1,3.925) 31.1,5.877 29.925,7.052
COEX1: U1.92 | length 0
COEX2: U1.91 | length 0
D_N: C19.2 J1.2 R14.1 | length 22.6
  Top Layer w0.15: R14.1@-5.395,19.828 -5.185,19.828 -5.185,19.818 v1(-3.756,19.818)
  Top Layer w0.2: J1.2@11.951,25.875 v1(11.951,27)
  Bottom Layer w0.15: v1(-3.756,19.818) -3.699,19.875 -0.77,19.875 -0.745,19.9 1.05,19.9 9.163,28.013 11.46,28.013 11.812,27.661 11.812,27.234 11.951,27.095 v1(11.951,27)
D_P: C20.1 J1.3 R15.1 | length 22.6
  Top Layer w0.15: R15.1@-5.395,19.028 v1@-3.756,19.028
  Top Layer w0.2: v1(11.222,27) 11.222,26.065 ccw(c11.491,26.065) J1.3@11.301,25.875
  Bottom Layer w0.15: v1(-3.756,19.017) -3.349,19.425 -0.77,19.425 -0.045,18.7 0.486,18.7 9.349,27.563 11.274,27.563 11.362,27.475 11.362,27.234 11.222,27.095 v1(11.222,27)